# Altium PCB Quark.PcbDoc (part 1 of 4)
Units mm, origin at the board's own origin, x right, y up, seen from the top; angles counter-clockwise.
Board outline 22.28 x 31.66 mm, 6 copper layers (Top1, Signal2, Power4, Gnd3, Signal5, Bottom6), stack 0.861 mm thick; 123 components, 164 nets, 919 pads, 389 vias.
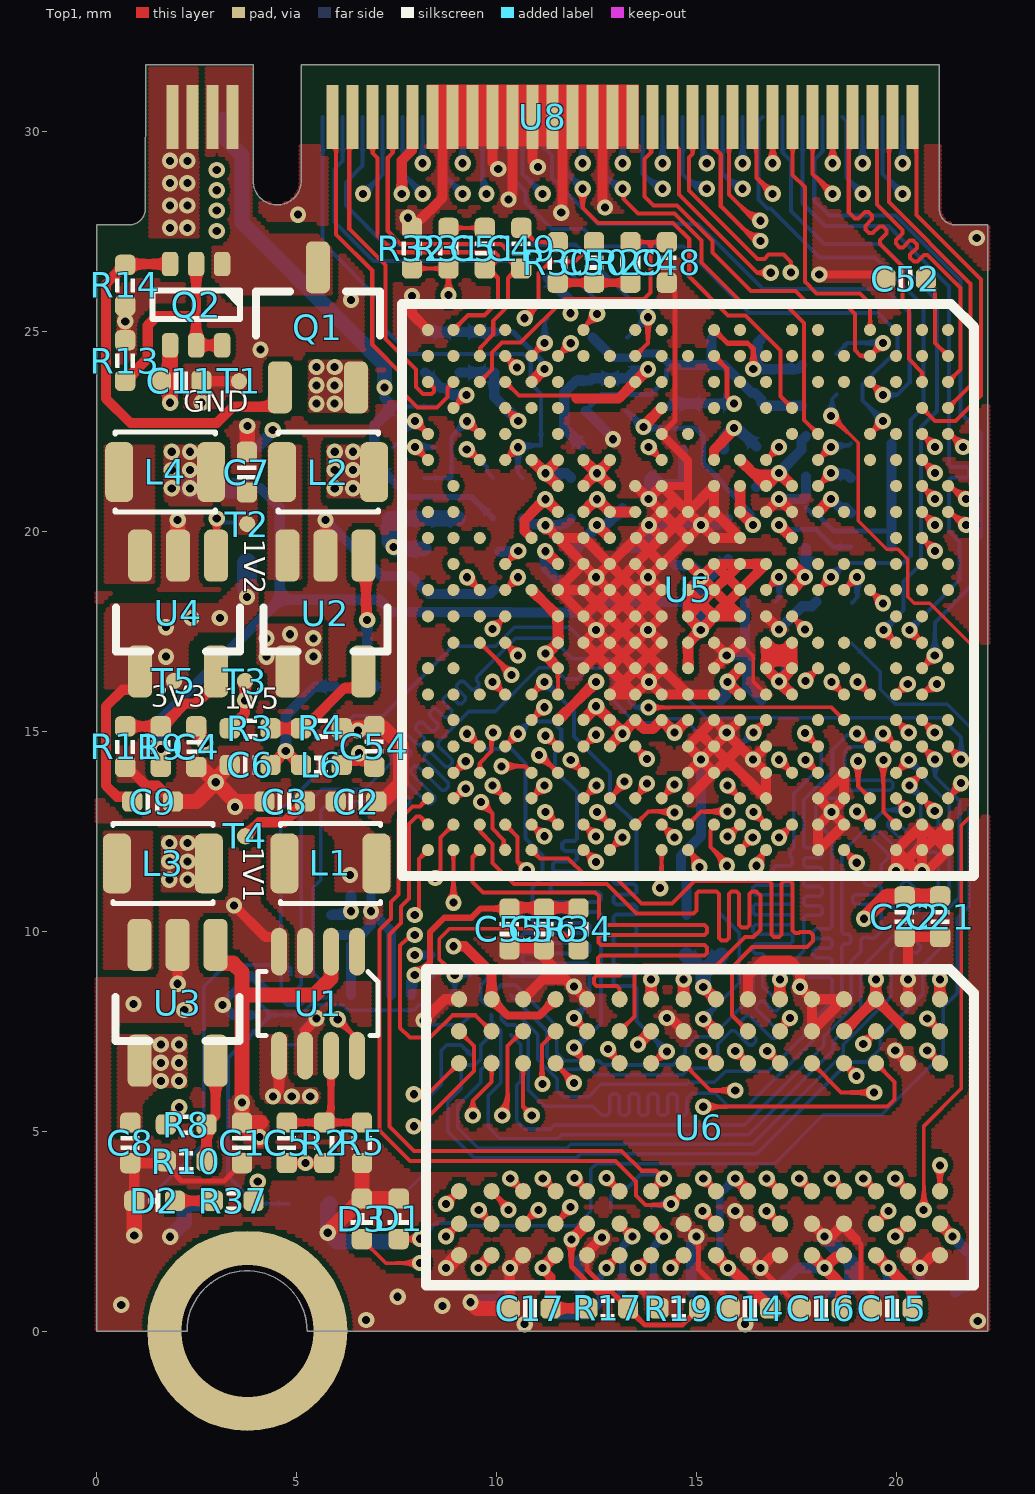
[diagram p0: Top1 view]
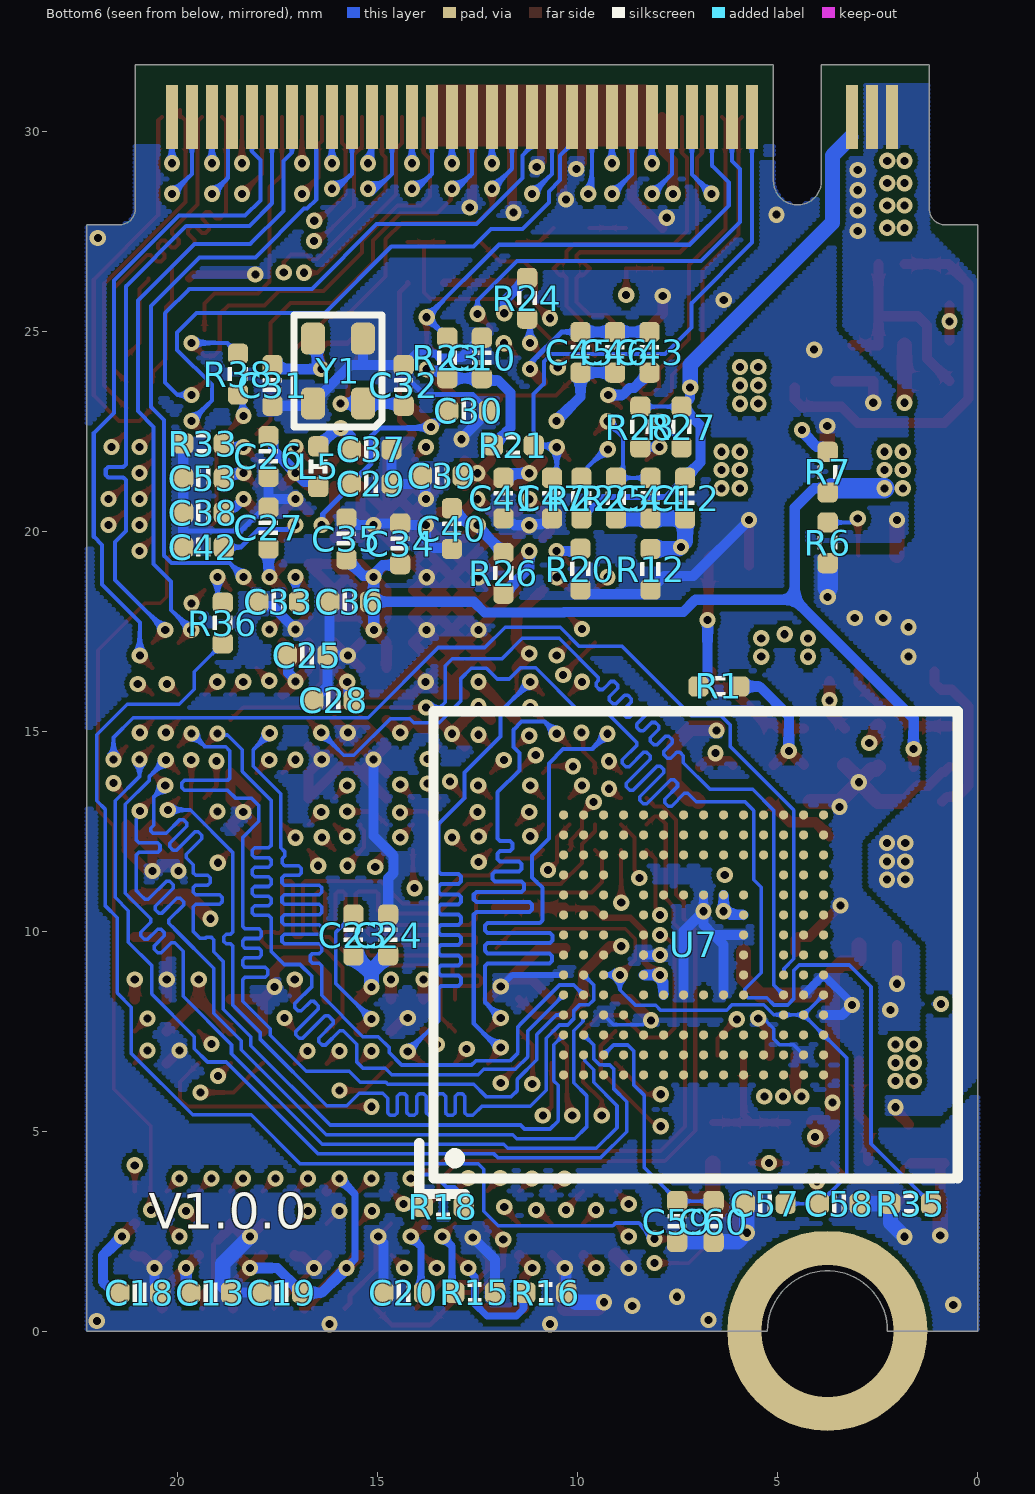
[diagram p1: Bottom6 view, seen from below]
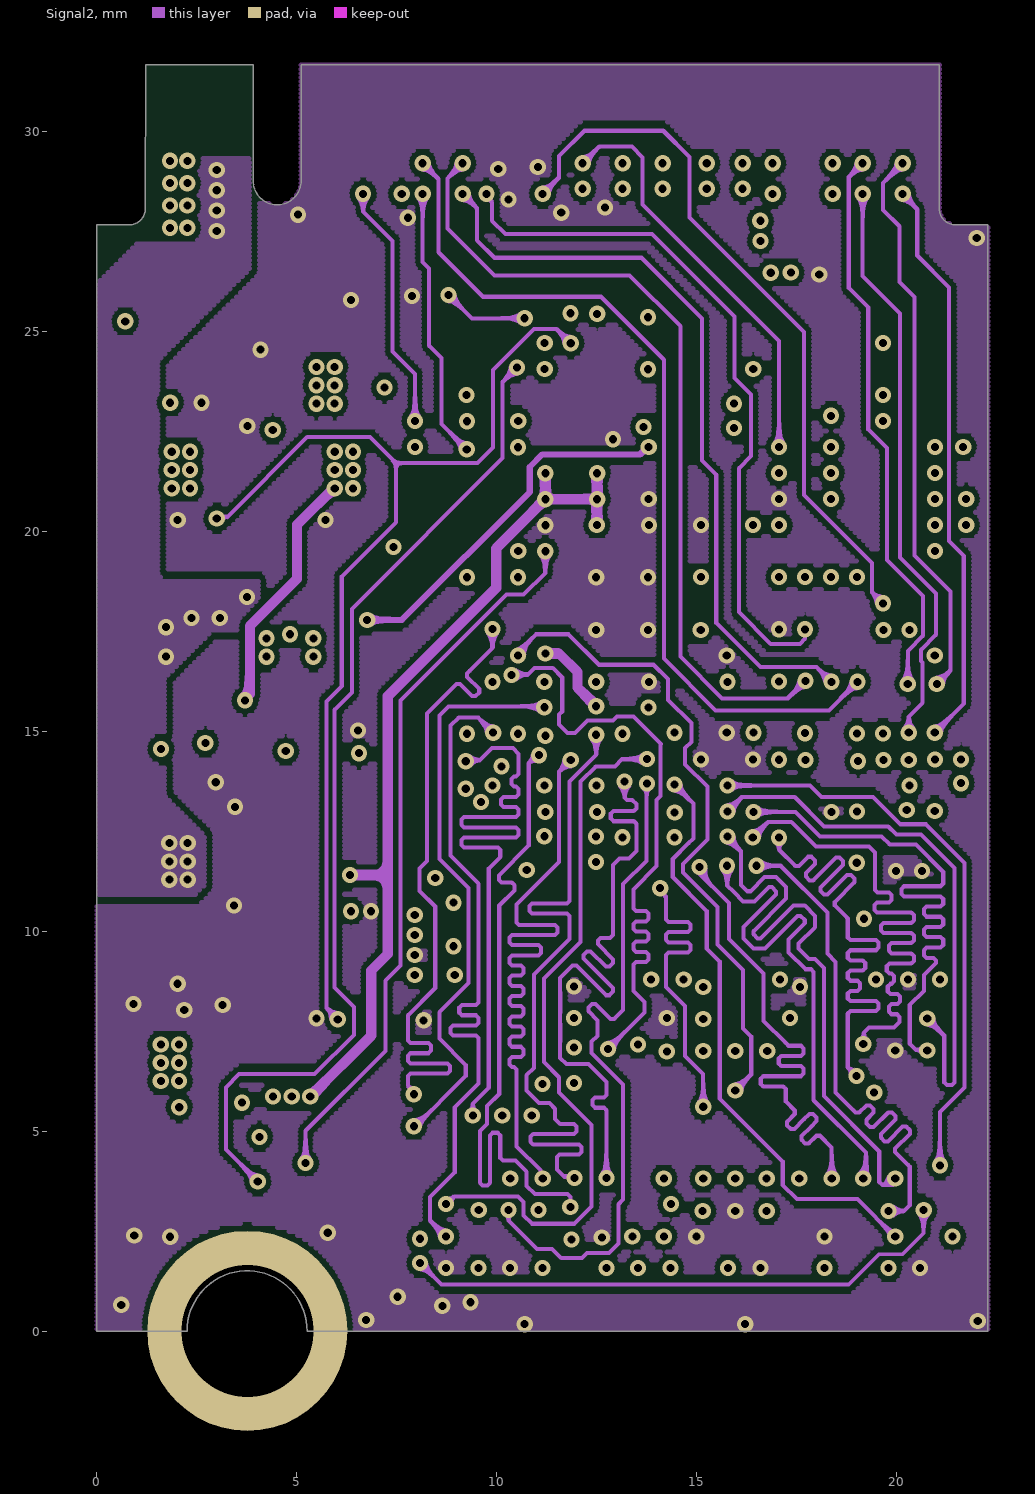
[diagram p2: Signal2]
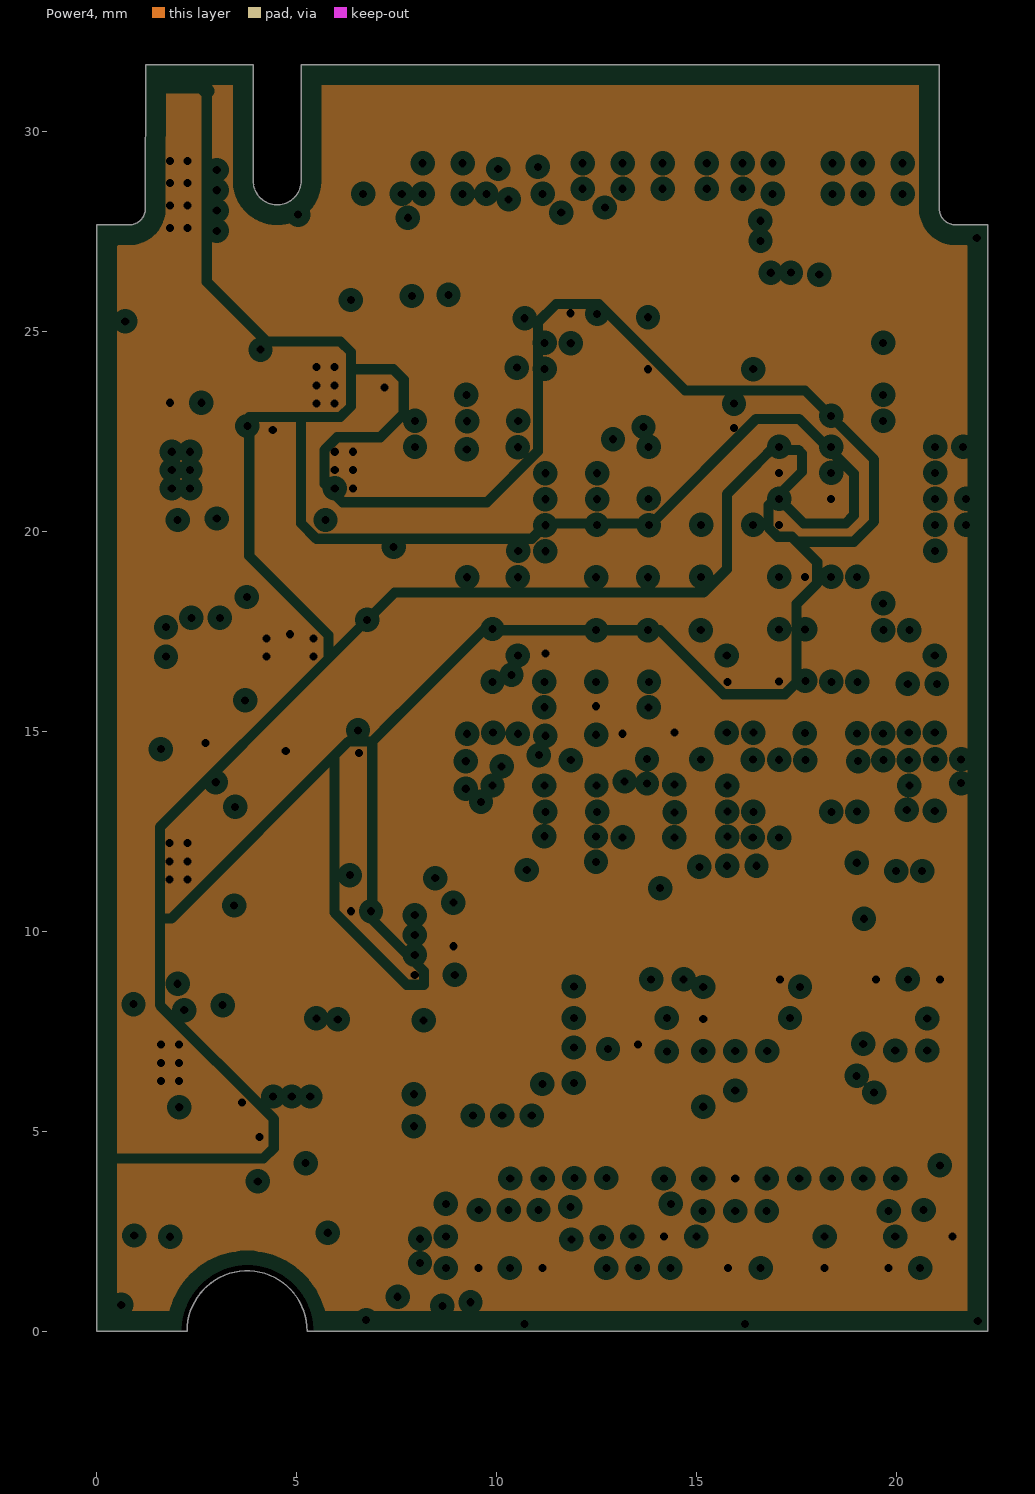
[diagram p3: Power4, clearances drawn from the general rule]
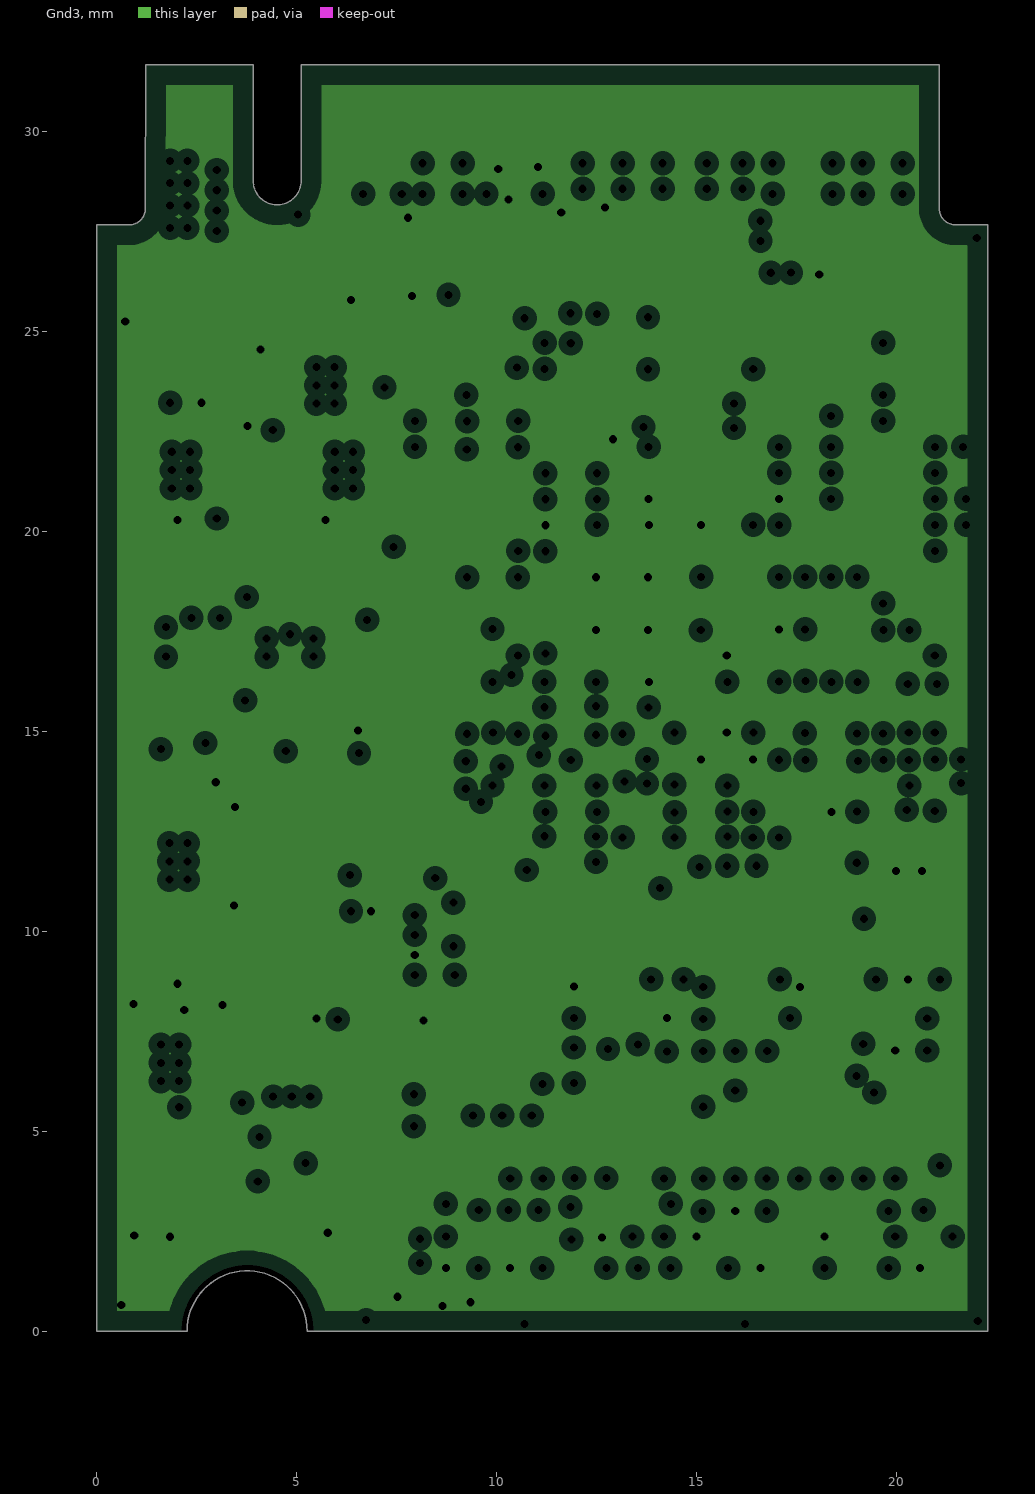
[diagram p4: Gnd3, clearances drawn from the general rule]
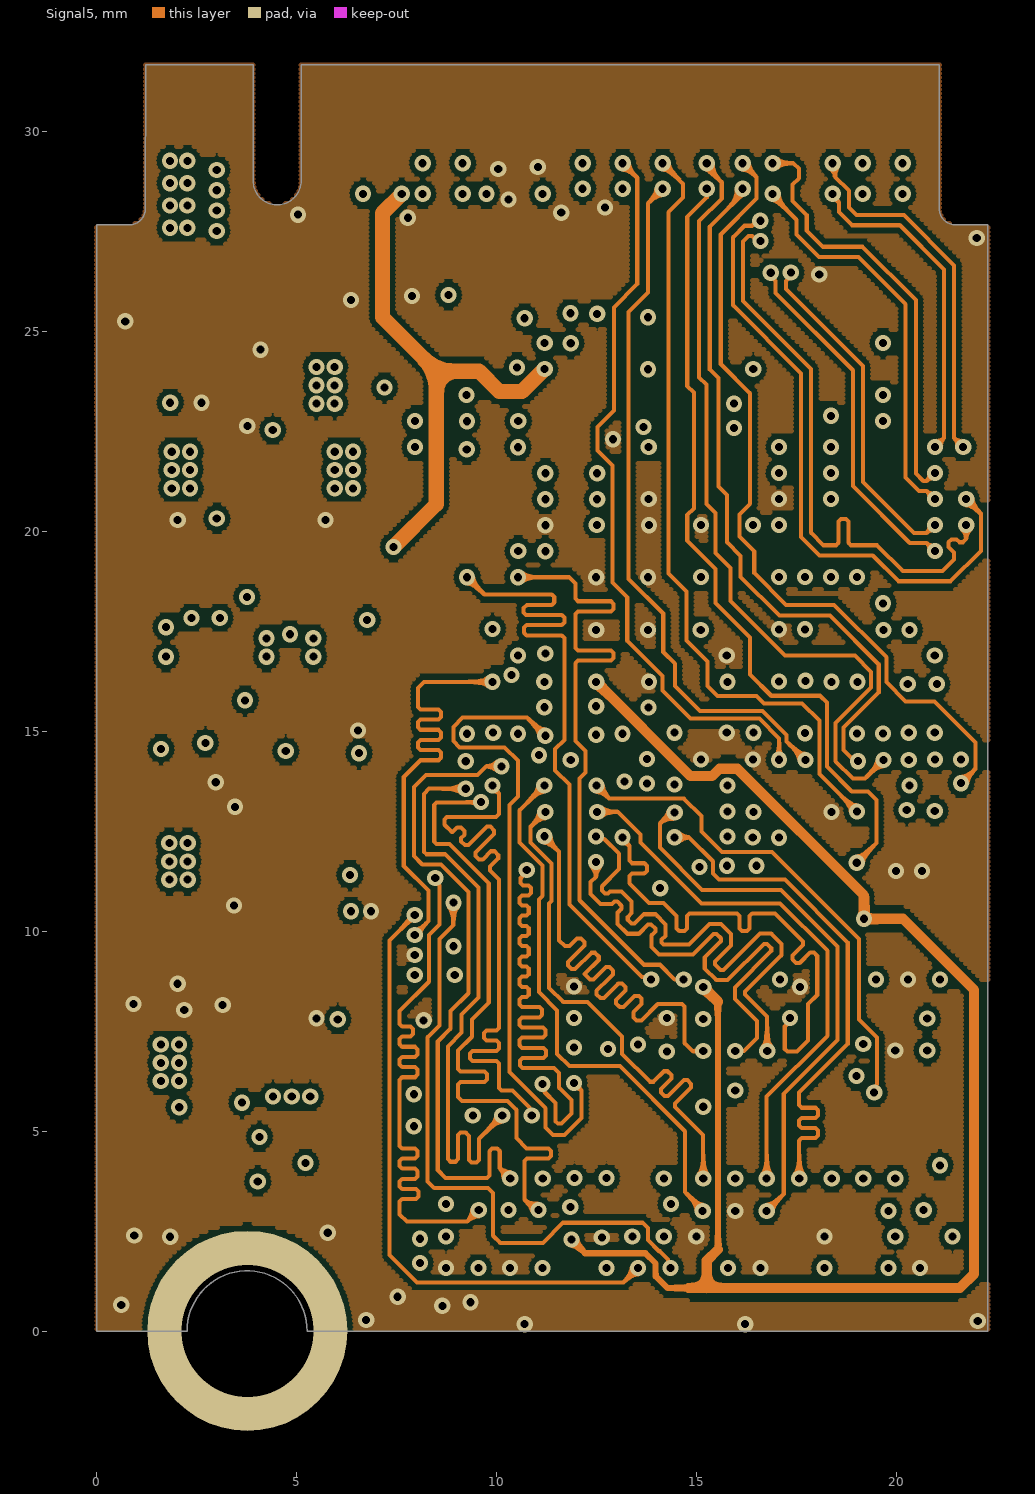
[diagram p5: Signal5]
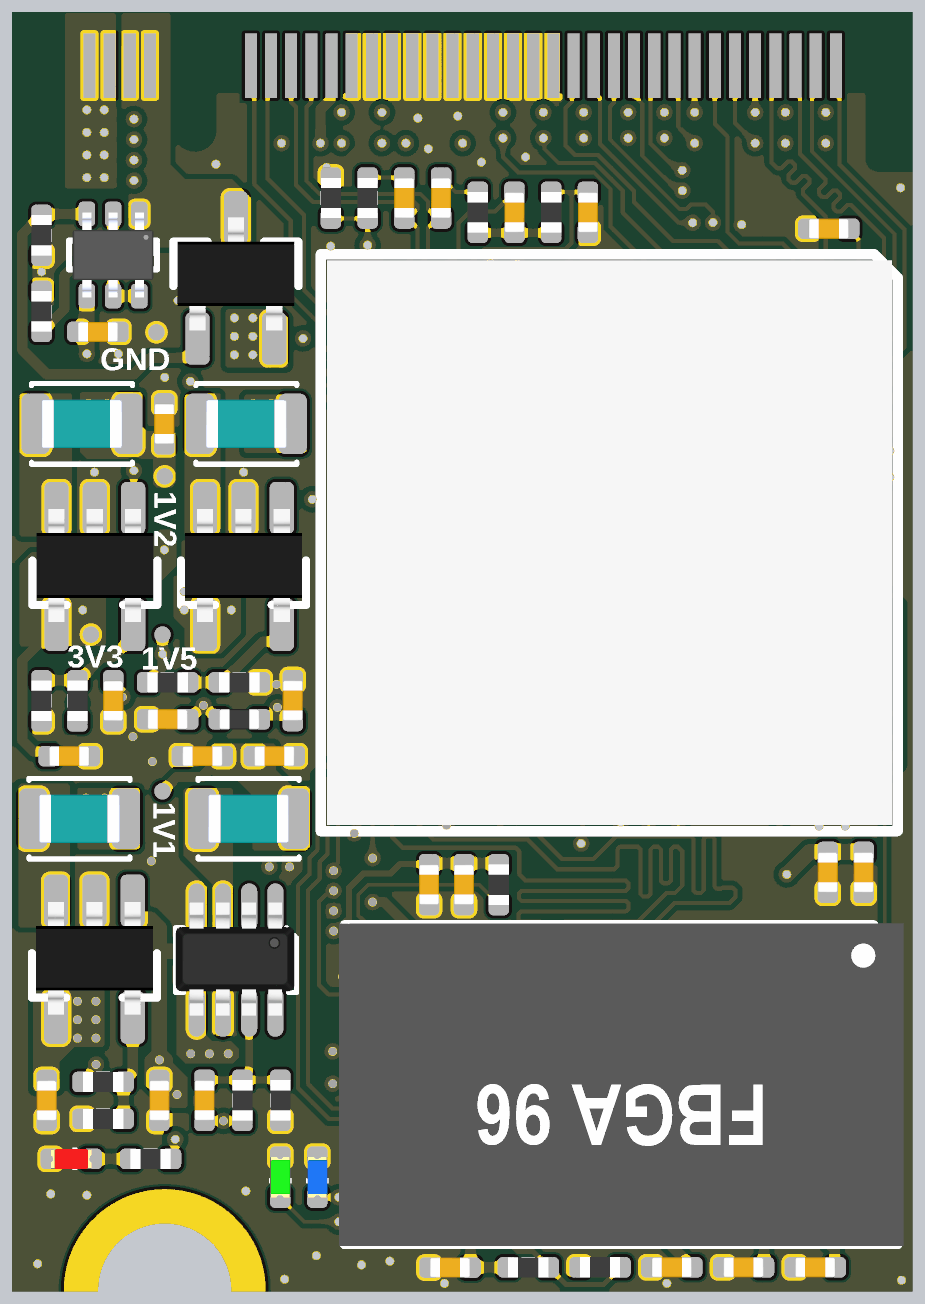
[diagram p9: 3D render of the assembled board from above, using the file's embedded part models]
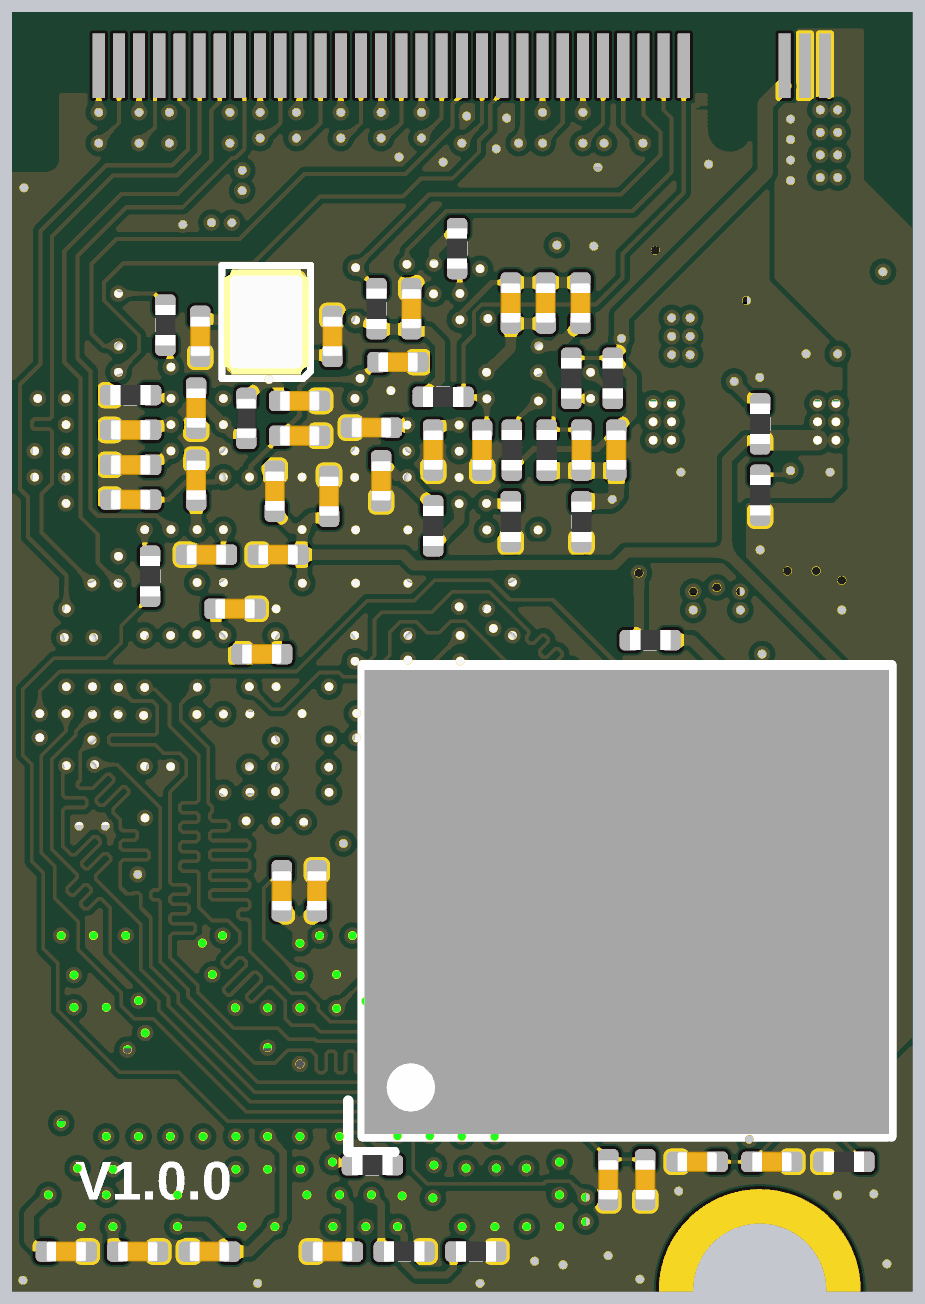
[diagram p10: 3D render of the assembled board from below, using the file's embedded part models]

## Layer stack, top to bottom
Top Solder: solder mask 0.0203, Solder Resist, Dk 3.5
Top1: signal copper 0.035
Dielectric1: prepreg 0.1067, PP-014, Dk 4.2
Signal2: signal copper 0.0175
Dielectric3: core 0.127, Core-015, Dk 4.4
Power4: plane copper 0.035
Dielectric2: prepreg 0.2184, PP-023, Dk 4.5
Gnd3: plane copper 0.035
Dielectric4: core 0.127, Core-015, Dk 4.4
Signal5: signal copper 0.0175
Dielectric5: prepreg 0.1067, PP-014, Dk 4.2
Bottom6: signal copper 0.0356
Bottom Solder: solder mask 0.0203, Solder Resist, Dk 3.5

## Board outline
0,0 -0.004,27.661 0.811,27.661 ccw(c0.81,28.062) 1.211,28.061 1.216,31.661 3.906,31.658 3.906,28.761 ccw(c4.506,28.761) 5.106,28.761 5.106,31.661 21.061,31.661 21.061,28.061 ccw(c21.46,28.06) 21.461,27.661 22.272,27.661 22.272,0 5.255,0 ccw(c3.755,0.011) 2.255,0

## Design rules (kind name [scope] priority, off if disabled: settings)
Clearance [All] p1: gap=0.089 ignorepadtopadclearanceinfootprint=TRUE except(0: Arc-Hole Track-Hole SMDPad-Hole THPad-Hole Via-Hole Fill-Hole Poly-Hole Region-Hole Text-Hole; 0.127: Arc-Poly Track-Poly SMDPad-Poly THPad-Poly Via-Poly Fill-Poly Poly-Poly)
ComponentClearance [All] p1: gap=0 collisioncheckmode=3 verticalgap=0 showdistances=FALSE
DiffPairsRouting [All] p1: maxlimit=0.229 minlimit=0.152 mostfreqgap=0.152 toplayer_minwidth=0.102 toplayer_maxwidth=0.102 toplayer_prefwidth=0.102 midlayer1_minwidth=0.102 midlayer1_maxwidth=0.102 midlayer1_prefwidth=0.102 midlayer3_minwidth=0.102 midlayer3_maxwidth=0.102 midlayer3_prefwidth=0.102 bottomlayer_minwidth=0.102 bottomlayer_maxwidth=0.102 bottomlayer_prefwidth=0.102 maxuncoupledlength=12.7
FanoutControl Fanout_BGA [All] p1: bgadir=Out bgaviamode=Centered fanoutstyle=Auto fanoutdirection=Alternating viagrid=0.025 // Fanout_BGA (Default Rule)
HoleSize [All] p1: absolutevalues=TRUE maxlimit=254 minlimit=0.203 maxpercent=80.000 minpercent=20.000
MinimumSolderMaskSliver [All] p1 off: minsoldermaskwidth=0.051
PlaneClearance [All] p1: clearance=0.203
PlaneConnect [All] p1: planeconnectstyle=Direct reliefexpansion=0.508 reliefentries=4 reliefconductorwidth=0.254 reliefairgap=0.254
PolygonConnect [All] p1: connectstyle=Direct reliefconductorwidth=0.254 reliefentries=4 polygonreliefangle="90 Angle" airgapwidth=0.254
RoutingVias [All] p1: holewidth=0.203 width=0.406 viastyle="Through Hole" minholewidth=0.152 minwidth=0.305 maxholewidth=0.711 maxwidth=1.27
SilkToSilkClearance [All] p1: silktosilkclearance=0
SilkToSolderMaskClearance [IsPad] p1: minsilkscreentomaskgap=0 clearancetoexposedcopper=TRUE
SolderMaskExpansion [All] p1: expansion=0.076 istentingtop=FALSE
Width GND [(InNet('AGND') OR InNet('GND'))] p1: maxlimit=1.27 minlimit=0.089 preferedwidth=0.254
Width VCC [(InNet('VDD_SYS_3.3V') OR InNet('VDD_AV_3.3V') OR InNet('VDD_5V') OR InNet('VDD1V2-SYS') OR InNet('VDD1V1-EPHY') OR InNet('VDD-CPUX') OR InNet('VDD-CPUS') OR InNet('VDD-CPUFB') OR InNet('VCC-DRAM'))] p2: maxlimit=1.27 minlimit=0.089 preferedwidth=0.254
Width [All] p3: maxlimit=254 minlimit=0.089 preferedwidth=0.089
21 further rules are at their usual default settings.

## Classes and differential pairs
net class POWER: AGND GND VCC-DRAM VDD1V1-EPHY VDD1V2-SYS VDD-CPUS VDD-CPUX VDD_5V VDD_AV_3.3V VDD_CPUFB VDD_EMMC_3.3V VDD_SYS_3.3V VDD_USB_5V
differential pair class 90: LINEOUT MICI USB0 USB1 USB2 USB3
net class USB: USB-DM0 USB-DM1 USB-DM2 USB-DM3 USB-DP0 USB-DP1 USB-DP2 USB-DP3
net class EPHY: EPHY-LINK-LED EPHY-RXN EPHY-RXP EPHY-SPD-LED EPHY-TXN EPHY-TXP
net class UART: UART0_RX UART0_TX UART1_RX UART1_TX UART2_RX UART2_TX UART3_CTS UART3_RTS UART3_RX UART3_TX
net class SDC0: SDC0-CLK SDC0-CMD SDC0-D0 SDC0-D1 SDC0-D2 SDC0-D3 SDC0-DET
net class I2C: I2C0_SCL I2C0_SDA I2C1_SCL I2C1_SDA
net class SPI0: SPI0_CLK SPI0_CS SPI0_MISO SPI0_MOSI
net class EMMC_A: EMMC-CLK EMMC-CMD EMMC-RSTN
net class EMMC_D0-D7: EMMC-D0 EMMC-D1 EMMC-D2 EMMC-D3 EMMC-D4 EMMC-D5 EMMC-D6 EMMC-D7
net class DDR_BUS_A: SA0 SA1 SA2 SA3 SA4 SA5 SA6 SA7 SA8 SA9 SA10 SA11 SA12 SA13 SA14 SA15 SBA0 SBA1 SBA2 SCAS SCK_N SCK_P SCKE0 SCKE1 SCS0 SCS1 SODT0 SODT1 SRAS SRST SWE
net class DDR_A8-A15: SA8 SA9 SA10 SA11 SA12 SA13 SA14 SA15
net class DDR_A0-A7: SA0 SA1 SA2 SA3 SA4 SA5 SA6 SA7
net class DDR_D8-D15: SDQ8 SDQ9 SDQ10 SDQ11 SDQ12 SDQ13 SDQ14 SDQ15 SDQM1 SDQS1_N SDQS1_P
net class DDR_D0-07: SDQ0 SDQ1 SDQ2 SDQ3 SDQ4 SDQ5 SDQ6 SDQ7 SDQM0 SDQS0_N SDQS0_P
component class Power: C1 C2 C3 C4 C5 C6 C7 C8 C9 C10 C11 C12 C54 L1 L2 L3 L4 L5 L6 Q1 Q2 R1 R2 R3 R4 R5 R6 R7 R8 R9 R10 R11 R12 R13 R14 T1 T2 T3 T4 T5 U1 U2 U3 U4
component class CPU&DRAM: C13 C14 C15 C16 C17 C18 C19 C20 C21 C22 C23 C24 C25 C26 C27 C28 C29 C30 C31 C32 C33 C34 C35 C36 C37 C38 C39 C40 C41 C42 C43 C44 C45 C46 C47 C48 C49 C50 C51 C52 C53 D1 D2 D3 R15 R16 R17 R18 R19 R20 R21 R22 R23 R24 R25 R26 R27 R28 R29 R30 R31 R32 R33 R36 R37 R38 R43 U5 U6 Y1
component class Connect: C55 C56 C57 C58 C59 C60 R34 R35 U7 U8
differential pair LINEOUT: +LINEOUTL -LINEOUTR
differential pair MICI: +MICIN1N -MICIN1P
differential pair USB3: +USB-DM3 -USB-DP3
differential pair USB2: +USB-DM2 -USB-DP2
differential pair USB1: +USB-DM1 -USB-DP1
differential pair USB0: +USB-DM0 -USB-DP0
differential pair SDQS0: +SDQS0_P -SDQS0_N
differential pair SDQS1: +SDQS1_P -SDQS1_N
differential pair SCK: +SCK_P -SCK_N
